# Altium PCB CRD25DA12N-FMC V1.1 (07-2023).PcbDoc (part 4 of 7)
Units mil, origin at the board's own origin, x right, y up, seen from the top; angles counter-clockwise.
Board outline 8000 x 8000 mil, 6 copper layers (Top Layer, Layer 2, Layer 3, Layer 4, Layer 5, Bottom Layer), stack 91 mil thick; 542 components, 315 nets, 1585 pads, 558 vias.
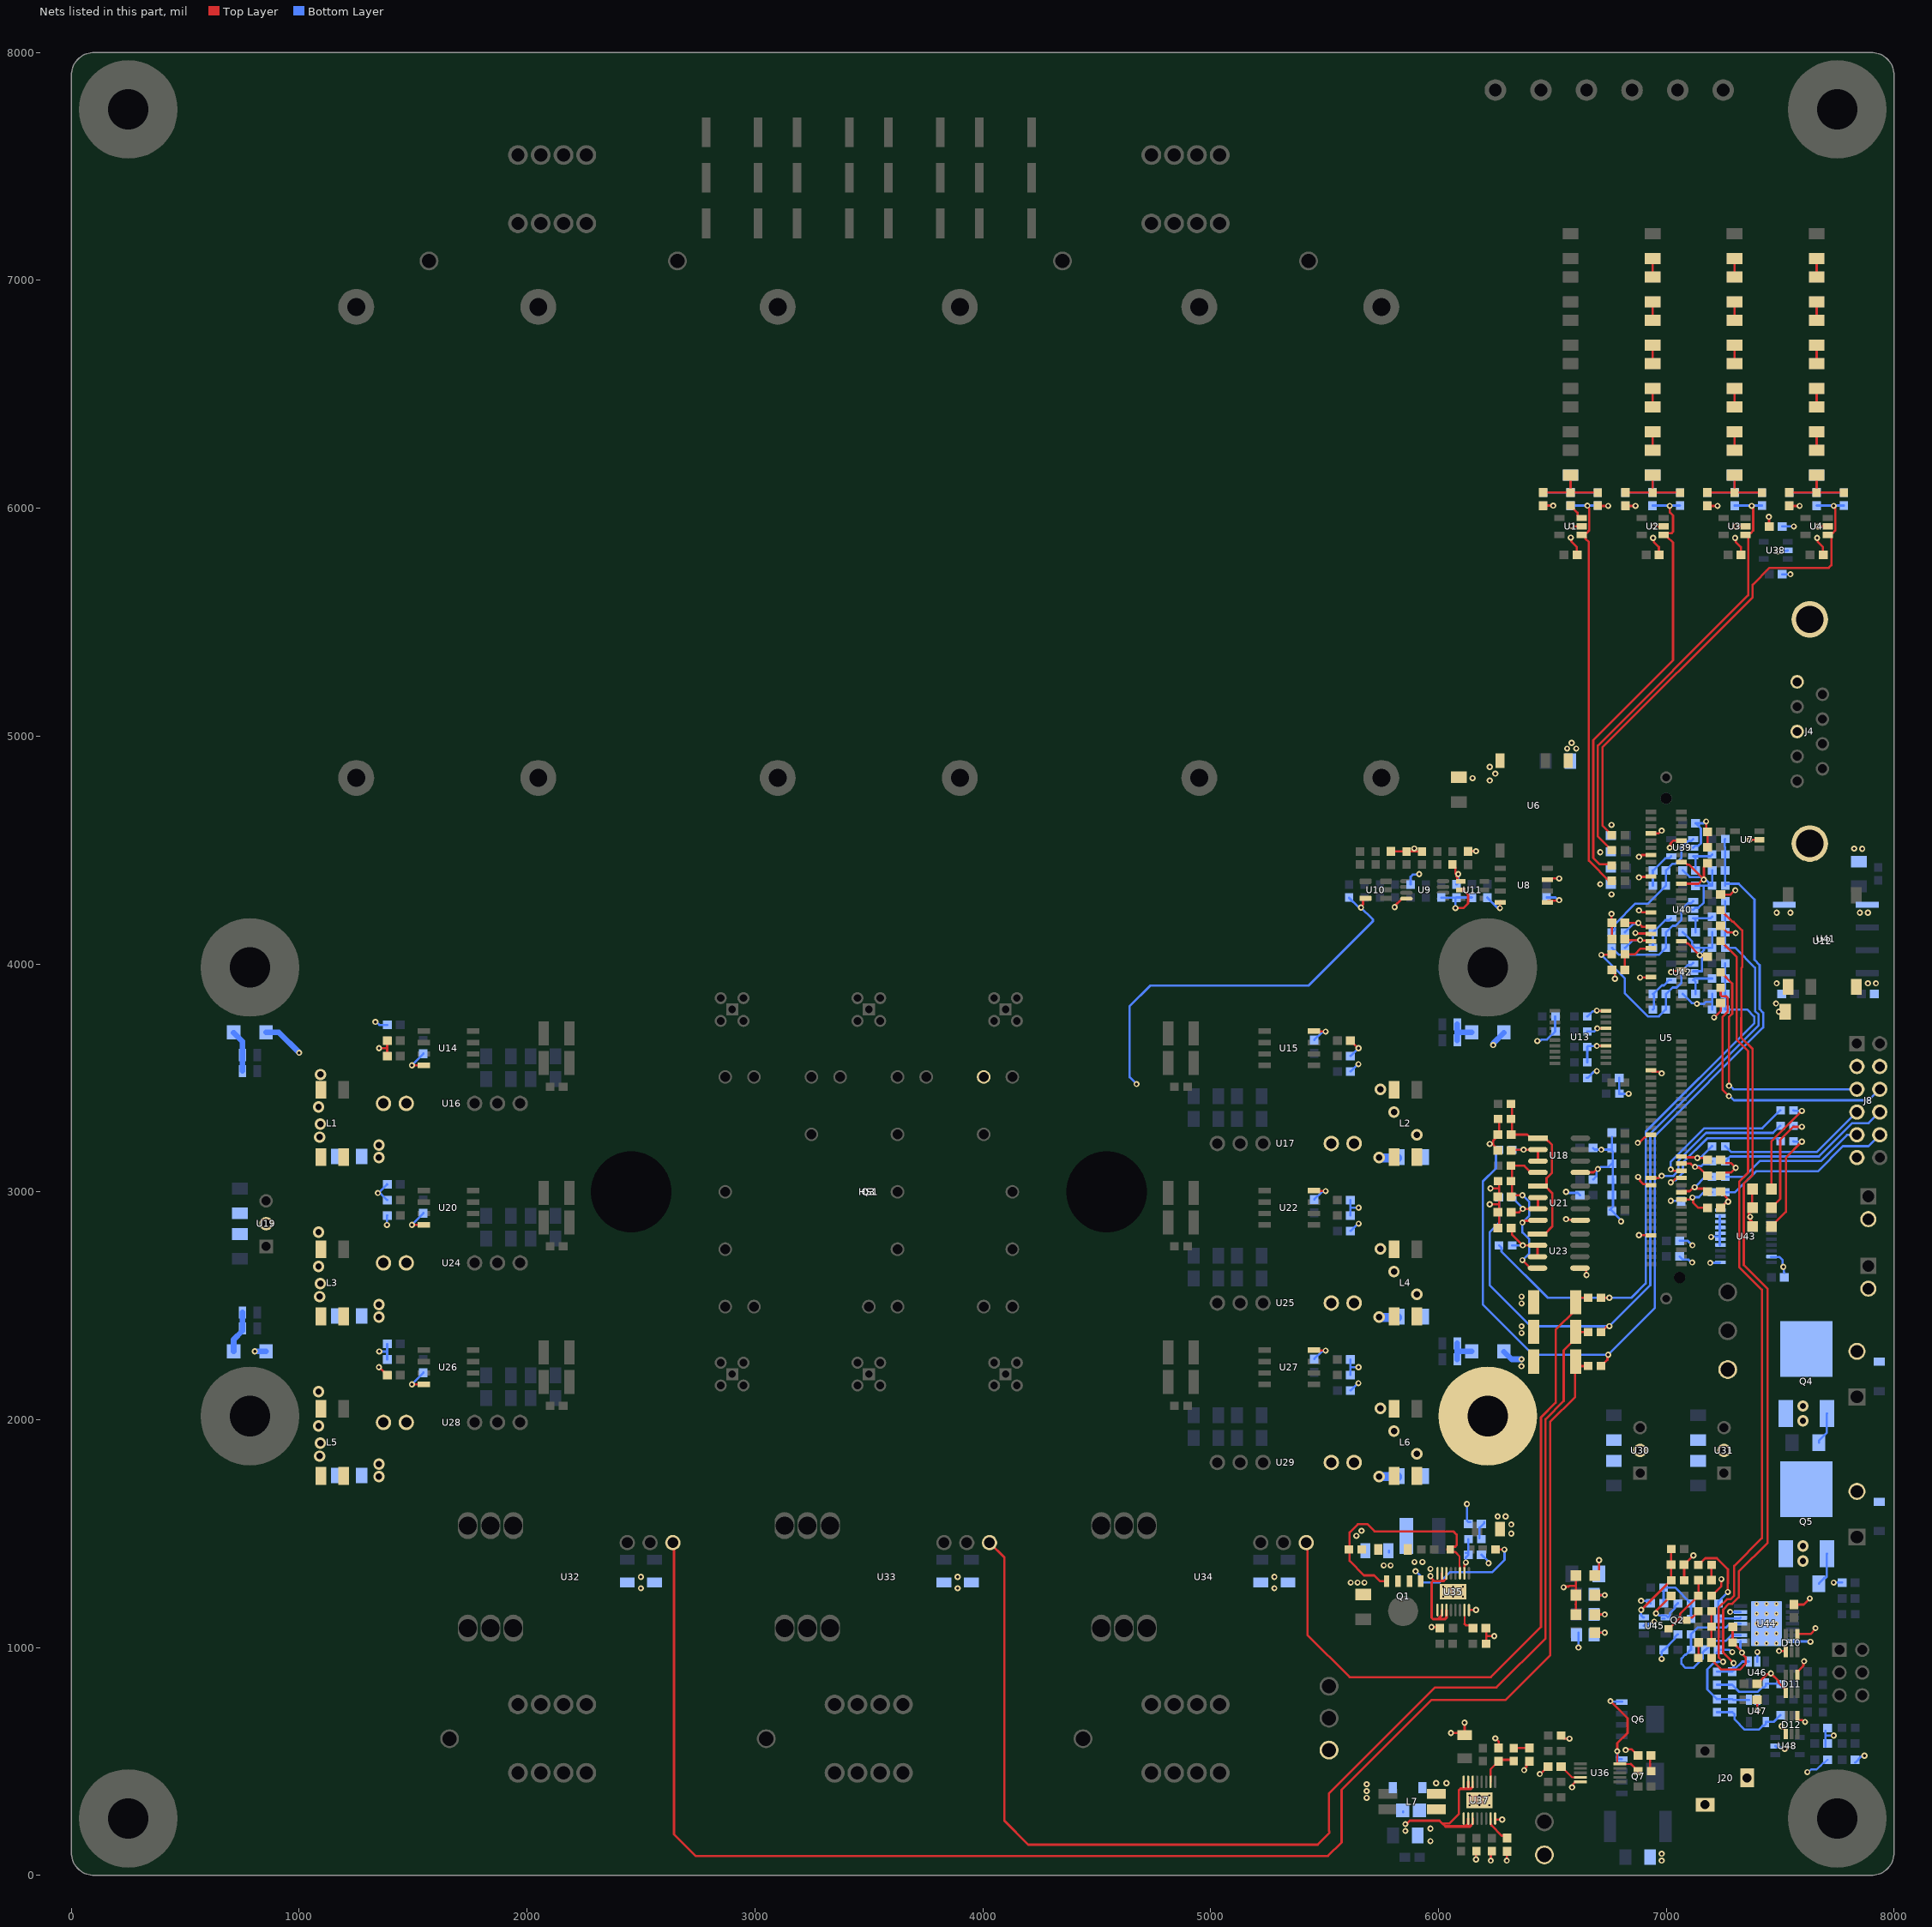
[diagram p8: the nets of this part, all layers, seen from the top]

## Via types
v1: diameter 27, hole 13, Top Layer to Bottom Layer, tented both sides, 455 vias
v2: diameter 50, hole 28, Top Layer to Bottom Layer, tented both sides, 76 vias
v3: diameter 19.68, hole 7.87, Top Layer to Bottom Layer, 27 vias

## Nets (pads, with @x,y where several pads share a name; then routed paths per layer and width w, separated by ;. In a path a pad name is that pad's centre, name@x,y a point inside that pad or via, vN(x,y) a via of type N, cw(c..) or ccw(c..) an arc to the next point about the centre after c; other vN are vias at no path point) (continued)
GND: C1.2 C2.2 C3.2 C4.2 C5.2 C6.2 C7.2 C8.2 C9.2 C11.2 C12.2 C15.2 C16.2 C17.2 C18.2 C19.2 C20.2 C21.2 C22.2 C23.2 C24.2 C25.2 C26.2 C27.2 C28.2 C29.2 C30.2 C31.2 C32.2 C33.2 C34.2 C35.2 C36.2 C37.2 C38.2 C40.2 C42.2 C44.2 C46.2 C47.2 C48.2 C49.2 C50.2 C51.2 C52.2 C53.2 C61.2 C62.2 C63.2 C64.2 C65.2 C66.2 C68.2 C69.2 C70.2 C72.2 C73.2 C77.2 C78.2 C79.2 C81.2 C83.2 C84.2 C85.2 C87.2 C88.2 C89.2 C90.2 C93.2 C94.2 C95.2 C102.2 C103.2 C104.2 C107.2 C108.2 C109.2 C110.2 C111.2 C112.2 C113.2 C114.2 C115.2 C116.2 C117.2 C118.2 C119.2 C120.2 C121.2 C124.2 C125.2 C126.2 C129.2 C132.2 C137.2 C138.2 C139.2 C140.2 C141.2 C142.2 C145.2 C148.2 C149.2 C154.2 C155.2 C158.2 C159.2 C160.2 C161.2 C162.1 C163.2 C164.1 C165.2 C166.1 C167.2 C169.2 C171.2 C172.2 C177.2 C179.2 C180.2 C181.2 C183.2 C184.2 D1.1 D2.1 D3.1 D6.1 D7.1 D8.1 D10.1 D10.4 D11.1 D11.4 D12.1 D12.4 D13.1 D14.1 D15.1 D16.1 D19.1 HS1.3 J8.3 J8.4 J8.11 J9.2 J10.2 J20.2 J20.3 L1.2 L2.2 L3.2 L4.2 L5.2 L6.2 Q4.3 Q5.3 R38.1 R67.1 R73.1 R84.1 R86.1 R90.1 R102.1 R103.1 R106.1 R109.1 R111.1 R120.1 R121.1 R164.1 R169.1 R174.1 R176.1 R177.1 R179.1 R180.1 R184.1 R187.1 R189.1 R216.1 R218.1 TP7.1 TP13.1 TP15.1 U1.2 U2.2 U3.2 U4.2 U5.7 U5.10 U5.13 U5.16 U5.19 U5.22 U5.29 U5.35 U5.38 U5.46 U5.47 U5.65 U5.83 U5.97 U5.111 U6.1 U7.2 U8.5 U8.7 U12.1 U13.4 U13.7 U13.10 U14.4 U15.4 U18.5 U19.2 U20.4 U21.5 U22.4 U23.5 U26.4 U27.4 U30.2 U31.2 U35.16 U35.17 U36.5 U37.16 U37.17 U38.2 U39.2 U40.2 U41.4 U42.2 U43.1 U43.4 U43.5 U43.6 U43.7 U43.8 U43.9 U43.10 U43.19 U44.6 U44.14 U44.15 U45.2 U46.2 U47.2 U48.2 | length 12079.2
  Top Layer w8: v1(6586.82,386.82) 6590.45,390.45 6590.45,400.31 U36.5@6599.86,409.72 ; U36.5@6600.77,410.63 U36.5@6622.91,410.63
  Top Layer w10: v1(1350,2230) 1351.47,2230 1385.47,2196 C36.2@1386.42,2196 ; v1(1350.35,3630) 1386.42,3630 ; C26.2@1385.47,3596 C26.2@1386.42,3596 1386.42,3630 ; C24.2@1386.42,3664 1386.42,3630 ; v1(1495,2155) U26.4@1546.73,2155 ; v1(1495,2855) U20.4@1546.73,2855 ; v1(1495,3555) U14.4@1546.73,3555 ; U27.4@5453.27,2305 5454.37,2303.9 5503.9,2303.9 v1(5505,2302.8) ; U22.4@5453.27,3005 5454.37,3003.9 5503.9,3003.9 v1(5505,3002.8) ; U15.4@5453.27,3705 5454.37,3703.9 5503.9,3703.9 v1(5505,3702.8) ; C25.2@5613.58,3664 5614.53,3664 5648.53,3630 v1(5649.65,3630) ; C40.2@5665,1241.25 C40.2@5670,1236.25 ; v1(5970,1090) 6001.38,1090 R106.1@6006.38,1085 ; v1(6055,625) 6111.73,625 6115,621.73 v1(6115,670) ; 6140,1165 v1(6165,1165) ; v1(6165,70) R120.1@6165,108.54 ; C44.2@6209.53,1085 6210,1084.53 6210,1049.76 ; R109.1@6210,1015 6210,1049.76 ; v1(6225,2945) 6265.42,2945 6266.42,2944 ; v1(6228.62,3014.86) 6263.54,3014.86 6266.38,3012.02 ; v1(6230,65) R121.1@6230,108.54 ; v1(6245,1050) 6244.76,1049.76 6210,1049.76 ; v1(6250,601.46) 6265,586.46 C49.2@6265,558.54 ; 6255,245 v1(6280,245) ; C35.2@6266.42,2840 6266.42,2944 ; R73.1@6266.38,3046 6266.38,3012.02 ; R67.1@6266.38,3319 6266.42,3318.96 6266.42,3251 6265.47,3251 6251.61,3237.14 6251.61,3236.19 6240.73,3225.3 6240.73,3206.75 6262.47,3185 C28.2@6275,3185 ; v1(6300,65) C53.2@6300,104.49 ; v1(6376.63,461.63) 6376.63,466.23 6386.14,475.74 6386.14,487.56 C50.2@6400,501.42 ; v1(6445,445) 6447.47,445 6480.47,478 C52.2@6481.42,478 ; C1.2@6460,6011.42 v1(6503.58,6011.42) ; U8.5@6478.35,4275 6480.85,4277.5 6527.5,4277.5 v1(6530,4280) ; U8.7@6478.35,4375 v1(6530,4375) v1@6531.12,4373.88 ; R111.1@6538.62,614 6551.58,601.04 6573.96,601.04 v1(6575,600) ; v1(6549.72,1264.16) 6552.97,1267.41 6572.61,1267.41 6575.2,1270 6601.16,1270 6603.66,1272.5 ; v1(6560,2880) 6562.53,2877.47 6620.58,2877.47 U21.5@6623.06,2875 ; v1(6580.67,5871.13) 6583.92,5867.88 6583.92,5853.71 6607.63,5830 6607.63,5795.95 C6.2@6608.58,5795 ; v1(6583.58,5921.42) 6584.29,5920.71 6627.52,5920.71 U1.2@6628.23,5920 ; U36.5@6599.86,409.72 U36.5@6600.77,410.63 ; 6601.16,1190 6603.66,1187.5 ; D8.1@6603.66,1145 6603.66,1187.5 ; D6.1@6603.66,1315 6603.66,1272.5 ; U23.5@6621.11,2665 6642.71,2665 6648.68,2659.03 6648.68,2636.32 v1(6650,2635) ; U18.5@6623.06,3085 6623.41,3085.36 6680.76,3085.36 6695.4,3100 v1(6700,3100) ; v1(6695,3640) 6695.3,3640.3 6734.7,3640.3 U13.4@6735,3640.59 ; v1(6695,3795) 6695.43,3794.57 6734.57,3794.57 U13.10@6735,3794.13 ; v1(6697.19,3717.36) U13.7@6735,3717.36 ; R38.1@6700,6011.38 6701.38,6010 v1(6745,6010) ; v1(6760,4220) 6760,4181.42 C17.2@6761.42,4180 C19.2@6761.42,4110 ; C21.2@6761.42,3974 6775,3960.42 v1(6775,3935) ; C2.2@6820,6011.42 6821.42,6010 v1(6865,6010) ; v1(6821.63,550.23) 6826.23,550.23 6830,554 6847.47,554 6875.47,526 C51.2@6876.42,526 ; v1(6864.55,4135.68) 6866.54,4133.69 6931.08,4133.69 U5.35@6933.07,4131.69 ; C51.2@6870.14,539.86 C51.2@6880,530 ; v1(6875,3215) 6878.25,3218.25 6884,3218.25 6904.89,3239.15 6908.64,3239.15 6919.29,3249.8 U5.83@6933.07,3249.8 ; v1(6876.5,3065) 6876.5,3060.4 6884.75,3052.15 6884.75,3048.22 6898.8,3034.17 6928.23,3034.17 U5.97@6933.07,3029.33 ; v1(6880,2810) 6880.57,2809.43 6929.43,2809.43 U5.111@6930,2810 ; v1(6880,4235) 6884.6,4235 6893.42,4226.18 U5.29@6933.07,4226.18 ; v1(6880,4380) 6881.83,4381.83 6931.24,4381.83 U5.19@6933.07,4383.66 ; v1(6880,4470) 6884.6,4470 6892.75,4478.15 U5.13@6933.07,4478.15 ; v1(6885,3940) 6885.47,3940.47 6934.53,3940.47 U5.47@6935,3940.94 ; U5.7@6933.07,4572.64 6966.29,4572.64 6978.65,4585 v1(6980,4585) ; U5.65@6935,3531.5 6939.84,3526.65 6968.75,3526.65 6975.4,3520 v1(6980,3520) ; v1(6942.09,5869.71) 6945.34,5866.45 6945.34,5852.28 6967.63,5830 6967.63,5795.95 C7.2@6968.58,5795 ; v1(6945,5920) U2.2@6988.23,5920 ; v1(7015,4510) 7018.25,4513.25 7018.25,4528.25 7031.14,4541.14 U5.10@7066.93,4541.14 ; v1(7021.31,3964.12) 7025.91,3964.12 7031.16,3969.37 7063.35,3969.37 U5.46@7067.64,3973.66 ; U5.38@7066.93,4100.2 7080.71,4100.2 7091.36,4089.54 7095.45,4089.54 v1(7147.18,4037.82) 7175.61,4037.82 C20.2@7181.42,4032 ; U5.22@7066.93,4352.17 7142.57,4352.17 7160.4,4370 v1(7165,4370) ; U5.16@7071.77,4451.5 U5.16@7066.93,4446.65 7080.71,4446.65 7091.36,4436 7099,4436 v1(7165,4370) ; v1(7118.8,1404.16) 7118.8,1402.28 7079.53,1363 C38.2@7078.58,1363 ; v1(7175,4625) 7175,4586.42 C11.2@7181.42,4580 C12.2@7181.42,4511 ; C3.2@7180,6011.42 7181.42,6010 v1(7225,6010) ; C15.2@7181.42,4442 7180.47,4442 7166.61,4428.14 7166.61,4427.19 7165,4425.58 v1(7165,4370) ; R103.1@7198.62,1227 7199.53,1227 7241.89,1269.36 v1(7241.89,1300) ; v1(7210,3765) 7240,3795 7240,3826.58 C22.2@7238.58,3828 ; C33.2@7238.58,2930 7239.53,2930 7262.82,2953.29 7268.25,2953.29 v1(7271.5,2956.54) 7268.25,2959.8 7268.25,2971.28 7239.53,3000 C31.2@7238.58,3000 ; C30.2@7238.58,3070 7235,3070 7230,3075 7238.86,3083.86 7283.86,3083.86 v1(7305,3105) 7283.86,3126.14 7252.44,3126.14 C29.2@7238.58,3140 ; C18.2@7238.58,4168 7239.53,4168 7269.27,4138.25 7301.75,4138.25 v1(7305,4135) ; C16.2@7238.58,4304 7281.99,4304 7301.26,4323.27 v1(7303.03,4323.27) ; v1(7302.09,5869.71) 7305.34,5866.45 7305.34,5852.28 7327.63,5830 7327.63,5795.95 C8.2@7328.58,5795 ; v1(7305,5920) U3.2@7348.23,5920 ; v1@7360.04,2893.32 7360,2893.28 7360,2885 D3.1@7375,2870 ; v1@7361.75,2883.25 v1(7368.5,2890) 7361.26,2897.24 7361.26,2911.38 7361.51,2911.63 D2.1@7372.7,2911.63 ; v1(7365,4545) U7.2@7408.15,4545 ; D2.1@7365.51,2949.17 7367.17,2949.17 D2.1@7367.17,2950.83 ; D2.1@7375,2948.66 7376.34,2950 D1.1@7376.34,3029.21 ; C47.2@7398.58,771 7400,769.58 v1(7400,725) ; C46.2@7398.58,840 7399.53,840 7442.79,883.26 7455.9,883.26 v1(7459.15,886.52) 7492.63,853.04 7492.63,846.19 7524.41,814.41 D11.1@7524.41,800.63 ; v1(7450,5962.36) 7451.14,5961.23 C5.2@7451.14,5920 ; v1(7495,985) 7520.55,985 7524.41,981.14 D10.1@7524.41,980.63 ; v1(7506,655.26) 7506,652.82 7520.55,638.27 D12.1@7520.55,625 ; C4.2@7540,6011.42 7541.42,6010 v1(7585,6010) ; C42.2@7560,1188.58 7603.58,1188.58 v1(7630,1215) ; D12.4@7575.59,699.37 7575.59,685.59 7579.45,681.73 7597.67,681.73 7605.4,674 v1@7610,674 ; D11.4@7575.59,879.37 7575.59,893.15 7601.75,919.31 7601.75,936.75 v1(7605,940) ; D10.4@7575.59,1059.37 7633.25,1059.37 7655,1081.12 v1(7655,1085) ; v1(7662.09,5869.71) 7665.34,5866.45 7665.34,5852.28 7687.63,5830 7687.63,5795.95 C9.2@7688.58,5795 ; v1(7665,5920) U4.2@7708.23,5920 ; 6266.42,2944 6266.42,2978 6266.38,2978.04 6266.38,3012.02 ; 6603.66,1187.5 D7.1@6603.66,1230 6603.66,1272.5 ; C38.2@7078.58,1363 R102.1@7078.62,1295 R102.1@7078.62,1295 C38.2@7078.58,1363
  Bottom Layer w8: v1@7623.76,452.95 7635.81,465 7660,465 7674.14,479.14 7675.38,479.14 7681.24,485 7681.24,486.24 7688.14,493.14 7693.71,493.14 C181.2@7708.58,508
  Bottom Layer w10: v1(1334.48,3745.52) 1338.09,3745.52 1351.61,3732 C87.2@1386.42,3732 ; v1(1351.47,2299.13) 1385.3,2299.13 1386.42,2298 ; v1(1385,2854.54) 1385,2894.58 C120.2@1386.42,2896 ; C137.2@1385.47,2332 C137.2@1386.42,2332 1386.42,2298 ; C138.2@1386.42,2264 1386.42,2298 ; C115.2@1386.42,2964 1385.47,2964 1357.73,2991.75 1348.25,2991.75 v1(1345,2995) 1348.47,2995 1385,3031.53 1385,3033.42 C110.2@1386.42,3032 ; v1(1495,2155) 1495,2155.47 1545,2205.47 C141.2@1545,2206.42 ; v1(1495,2855) 1495,2855.47 1545,2905.47 C118.2@1545,2906.42 ; v1(1495,3555) 1495,3555.47 1545,3605.47 C89.2@1545,3606.42 ; C140.2@5455,2265.58 5455,2266.53 5488.02,2299.54 5501.75,2299.54 v1(5505,2302.8) ; C117.2@5455,2965.58 5455,2966.53 5488.02,2999.54 5501.75,2999.54 v1(5505,3002.8) ; C88.2@5455,3665.58 5455,3666.53 5488.02,3699.54 5501.75,3699.54 v1(5505,3702.8) ; C145.2@5613.58,2128 5614.53,2128 5646.53,2160 v1(5649.05,2160) ; C142.2@5613.58,2196 5613.58,2230 ; C139.2@5613.58,2264 5613.58,2230 ; C124.2@5613.58,2828 5614.53,2828 5646.53,2860 v1(5650,2860) ; C121.2@5613.58,2896 5613.58,2930 ; C116.2@5613.58,2964 5613.58,2930 ; C93.2@5613.58,3528 5614.53,3528 5646.53,3560 v1(5649.05,3560) ; C90.2@5613.58,3596 5614.53,3596 5648.53,3630 v1(5649.65,3630) ; v1(5649.65,2230) 5649.5,2230.15 5621.15,2230.15 5621,2230 5613.58,2230 ; v1(5649.85,2930.15) 5649.69,2930 5613.58,2930 ; v1(6125,1630) 6125,1556.86 6131.51,1550.35 C158.2@6139.73,1550.35 ; C160.2@6188.58,1407 6189.53,1407 6216.75,1379.78 6216.75,1373.25 v1(6220,1370) ; D15.1@6287.4,2298.03 D15.1@6287.4,2300 ; D13.1@6287.4,3698.03 D13.1@6287.4,3700 ; D15.1@6311.93,2273.5 D15.1@6313.9,2273.5 ; v1@6361.45,2237.96 v1(6364.7,2234.7) ; v1(6433.85,3661.83) 6437.11,3665.08 6449.78,3665.08 6453.19,3668.5 6476.84,3668.5 6511.34,3703 6512.24,3703 R177.1@6512.24,3770 ; C73.2@6475,4291.42 6513.98,4291.42 6525.4,4280 v1(6530,4280) ; v1(6560,3000) 6564.6,3000 6569.6,2995 6611.42,2995 C114.2@6621.42,2985 ; v1@6583.57,390.07 v1(6586.82,386.82) ; R216.1@6614.49,1065 6615,1064.49 v1(6615,1000) ; C95.2@6650,3500 6654.53,3500 6681.27,3526.75 6691.75,3526.75 v1(6695,3530) ; R187.1@6653.62,3568 R184.1@6653.62,3636 6657.62,3640 v1(6695,3640) ; R179.1@6653.62,3703 6682.82,3703 v1(6697.19,3717.36) ; R176.1@6653.62,3770 6654.53,3770 6676.27,3791.75 6691.75,3791.75 v1(6695,3795) ; C109.2@6678.58,3054 6679.53,3054 6693.39,3067.86 6693.39,3088.79 6700,3095.4 v1(6700,3100) 6704.6,3100 6713.74,3109.14 6747.56,3109.14 C107.2@6761.42,3123 ; C104.2@6678.58,3192 6685.58,3185 v1(6715,3185) 6756.46,3185 C103.2@6761.46,3180 ; 6761.46,3240 C103.2@6761.46,3180 ; C94.2@6793.58,3500 R189.1@6793.62,3430 R189.1@6793.62,3430 v1(6835,3430) ; v1(6801.5,2870) 6798.25,2873.25 6798.25,2879.13 6756.07,2921.3 6752.76,2921.3 6766.46,2935 6766.46,3055.63 6765,3057.09 6765,3176.46 C103.2@6761.46,3180 ; v1(6889.85,1205.15) 6920.27,1205.15 C169.2@6931.42,1194 ; U45.2@6901.77,1095 6910.55,1103.78 6932.8,1103.78 6942.81,1113.79 v1(6947.41,1113.79) ; v1(6980,950) 6980,981.42 C172.2@6988.58,990 6989.53,990 7037.52,1037.99 7037.52,1045.04 7050.47,1058 R218.1@7051.38,1058 ; v1(7019.81,2960) 7062.85,2960 C111.2@7065,2957.85 ; C129.2@7058.58,2716 7072.44,2702.14 7097.31,2702.14 7109.45,2690 v1(7114.05,2690) ; C126.2@7058.58,2785 7094.69,2785 7114.69,2765 v1(7115,2765) ; C85.2@7071.42,3868 7072.37,3868 7112.12,3828.25 7131.75,3828.25 v1(7135,3825) 7166,3825 7175.02,3834.02 7201.42,3834.02 ; C79.2@7071.42,4139 7072.37,4139 7113.76,4097.61 7113.76,4083.86 7127.63,4070 C81.2@7128.58,4070 7164.98,4070 ; C70.2@7071.42,4411 7072.37,4411 7102.24,4381.14 7150.33,4381.14 7161.47,4370 v1(7165,4370) 7168.25,4366.75 7176.73,4366.75 R164.1@7200.47,4343 ; U42.2@7118.23,3967 7119.23,3968.01 7156.78,3968.01 7156.78,4023.62 7147.18,4033.22 v1(7147.18,4037.82) 7147.18,4042.42 7164.98,4060.21 7164.98,4070 ; U40.2@7118.23,4238 7127.01,4246.78 7141.58,4246.78 7164.52,4269.72 7164.52,4343 ; U39.2@7118.23,4510 7127.01,4518.78 7141.58,4518.78 7151.87,4529.07 7151.87,4594.66 C64.2@7129.53,4617 ; C77.2@7128.58,4343 7164.52,4343 ; C64.2@7128.58,4617 C64.2@7129.53,4617 ; v1(7175,4625) 7170.4,4625 7162.4,4617 C64.2@7129.53,4617 ; v1(7193.1,2688.1) 7193.46,2688.46 7234.64,2688.46 U43.1@7235,2688.82 ; v1(7196.63,2801.63) 7198.98,2803.98 7235,2803.98 ; R174.1@7201.38,3800 R174.1@7201.38,3800 7201.42,3834.02 ; C84.2@7201.42,3868 7201.42,3834.02 ; C78.2@7201.42,4139 C78.2@7201.42,4139 R169.1@7201.38,4070 7164.98,4070 ; C69.2@7201.42,4411 C69.2@7201.42,4411 R164.1@7201.38,4343 R164.1@7200.47,4343 ; C171.2@7220.28,975.24 C171.2@7230.05,985 ; C171.2@7228.58,990 7275.4,990 7285.4,980 v1(7290,980) ; U43.4@7235,2765.59 7235,2803.98 ; U43.9@7235,2893.54 7235,2803.98 ; U43.10@7235,2919.13 7246.97,2919.13 7249.85,2922.01 7249.85,2939.85 7252.01,2942.01 7252.36,2942.01 7266.9,2956.54 v1(7271.5,2956.54) ; v1(7280.29,1156.3) 7280.35,1156.24 U44.6@7325.83,1156.18 U44.6@7325.83,1156.18 ; v1(7400,725) U47.2@7400,770 ; U46.2@7400,938.23 v1(7400,980) ; U43.19@7459.41,2714.41 7495.59,2714.41 7510.88,2699.12 7510.88,2673.19 v1(7513.45,2670.62) 7516.7,2667.37 7516.7,2646.84 7518.54,2645 ; U48.2@7478.7,567.6 7485.51,560.79 7509.61,560.79 7515.4,555 v1(7520,555) ; v1(7490,5810) 7492.5,5812.5 7530.65,5812.5 U38.2@7533.15,5815 ; C62.2@7508.58,5710 v1(7545,5710) ; C61.2@7508.58,5920 v1(7560,5920) ; U44.14@7554.17,1028.23 7555.63,1026.77 7631.32,1026.77 v1(7632.78,1025.32) ; v1(7619.16,452.95) v1@7623.76,452.95 ; C179.2@7698.58,565 7698.58,599.5 ; C177.2@7698.58,634 7698.58,616.75 ; 7699.08,600 7698.58,599.5 ; v1(7734.95,613.44) 7701.89,613.44 7698.58,616.75 ; v1(7735,1285) C167.2@7771.42,1285 ; C180.2@7828.58,495 7829.53,495 7856.27,521.75 7866.75,521.75 v1(7870,525) ; 7164.52,4343 R164.1@7200.47,4343 ; 7698.58,599.5 7698.58,616.75
  Bottom Layer w25: v1(805,2300) D16.1@854.33,2300 ; D14.1@854.33,3700 910,3700 v1(1000,3610) ; v1(6240.35,3644.22) 6240.73,3644.6 6240.73,3651.36 D13.1@6287.4,3698.03 ; D15.1@6287.4,2298.03 D15.1@6311.93,2273.5 ; D15.1@6313.9,2273.5 6322.4,2265 v1(6365,2265)
  other v1: 6980,65 6980,95 5965,150 5965,205 5685,340 5685,370 5685,400 7609.25,673.1 2500,1260 3890,1260 5280,1260 5615,1285 5645,1285 5675,1285 2500,1310 3890,1310 5280,1310 5639.85,1490.15 6320,1500 5662.8,1512.2 6320,1540 6260,1575 6295,1575 6365,2380 6364.85,2409.85 6365,2510 6365,2540 6225,3210 7494.21,3790 7481.72,3826.72 7485,3915 7485,4225 7545,4225 6760,4305 6710,4350 6710,4490 6760,4610 6565,4945 6605,4945 6585,4970
  other v2: 7600,1380 7600,1445 5805,1950 1085,1972 7600,1994.76 5745,2050 7600,2059.76 1085,2123 5805,2650 1085,2672 5745,2750 1085,2823 5805,3350 1085,3372 5745,3450 1093.14,3514.86
  other v3: 6136.69,308.35 6180,308.35 6223.31,308.35 6136.69,351.65 6180,351.65 6223.31,351.65 7396.69,1018.39 7440,1018.39 7483.31,1018.39 7396.69,1061.69 7440,1061.69 7483.31,1061.69 7396.69,1105 7440,1105 7483.31,1105 7396.69,1148.31 7440,1148.31 7483.31,1148.31 7396.69,1191.61 7440,1191.61 7483.31,1191.61 6021.69,1223.35 6065,1223.35 6108.31,1223.35 6021.69,1266.65 6065,1266.65 6108.31,1266.65
GND_ISO: C67.2 C82.2 J4.3 J4.5 J4.10 J4.11 U12.4 U41.5
  other v1: 7885,3915 7920,3915 7850,4225 7885,4225 7860,4505 7824.6,4506.19
GND_NTC: C10.2 C13.2 C14.2 C74.2 C75.2 C76.2 Q3.NTC1 R49.1 R50.1 R157.1 R159.1 R163.1 U6.4 U8.4 U9.4 U10.5 U11.2 | length 2565.5
  Top Layer w10: v1(5660.12,4247.58) 5660.12,4252.18 5668.94,4261 5668.94,4280.98 5675.55,4287.6 U10.5@5689.92,4287.6 ; C13.2@5792,4493.58 R49.1@5860,4493.62 R49.1@5860,4493.62 v1@5894,4493.62 ; v1(5808.01,4249.02) 5811.27,4252.27 5811.27,4257.51 5837.96,4284.2 5856.88,4284.2 U9.4@5859.29,4286.61 ; v1(5894,4506.31) v1@5894,4493.62 ; R50.1@5928,4493.62 v1@5894,4493.62 ; v1(6075,4245) 6110.4,4245 6130.49,4265.09 6130.49,4303.17 6108.66,4325 U11.2@6098.82,4325 ; C14.2@6130,4493.58 6131.42,4495 v1(6165,4495) ; v1(6270,4245) 6270,4273.35 U8.4@6271.65,4275
  Bottom Layer w10: v1(4675,3472.73) 4645,3502.73 4645,3815 4735,3905 5430,3905 5712.21,4187.21 5712.21,4195.49 5656.87,4250.83 5647.64,4250.83 5608,4290.47 R163.1@5608,4291.38 ; R159.1@5878,4348.62 5878,4382.48 5887.25,4391.73 5913.47,4391.73 v1(5915.75,4394.02) ; R157.1@6012,4291.38 C76.2@6079,4291.42 ; v1(6075,4245) 6075,4287.42 C76.2@6079,4291.42 ; C75.2@6147,4291.42 C76.2@6079,4291.42 C76.2@6079,4291.42 ; C74.2@6225,4281.42 C74.2@6215,4291.42 6215,4290.47 6257.22,4248.25 6266.75,4248.25 v1(6270,4245)
  other v1: 6225,4805 6150,4815 6250,4835 6225,4865
GPIO35: C29.1 R193.2 U5.90 | length 202.3
  Top Layer w10: U5.90@7066.93,3155.31 7070.74,3151.5 v1@7133.49,3151.51 ; v1(7136.75,3148.25) 7173.17,3148.25 C29.1@7181.42,3140
  Bottom Layer w10: v1(7136.75,3148.25) 7140,3151.51 7151.98,3151.51 7200.47,3200 R193.2@7201.38,3200
GPIO44: C30.1 R195.2 U5.92 | length 222
  Top Layer w10: U5.92@7066.93,3123.82 7106.98,3123.82 7121.23,3109.57 v1(7125.83,3109.57) 7129.08,3106.32 7144.15,3106.32 7180.47,3070 C30.1@7181.42,3070
  Bottom Layer w10: v1(7125.83,3109.57) 7129.08,3112.83 7154.15,3112.83 7161.37,3120.04 7188.42,3120.04 R195.2@7201.38,3133
GPIO54: C31.1 R196.2 U5.100 | length 227.4
  Top Layer w10: U5.100@7066.93,2997.83 7071.77,3002.68 7103.08,3002.68 7120.4,3020 v1(7125,3020) 7129.6,3020 7135.74,3013.86 7167.56,3013.86 C31.1@7181.42,3000
  Bottom Layer w10: v1(7125,3020) 7171,3066 R196.2@7201.38,3066
GPIO55: C33.1 R197.2 U5.102 | length 232.1
  Top Layer w10: U5.102@7066.93,2966.34 7101.74,2966.34 ; v1@7118.25,2978.25 v1(7115,2975) 7118.25,2971.75 7118.25,2951.75 7140,2930 C33.1@7181.42,2930